# Altium PCB MU_MP_39_V1.PcbDoc (part 12 of 15)
Units mm, origin at the board's own origin, x right, y up, seen from the top; angles counter-clockwise.
Board outline 133 x 94 mm, 8 copper layers (Top Layer, GND_1, POWER_1, POWER_2, GND_2, Inner_Layer, GND_3, Bottom Layer), stack 1.468 mm thick; 934 components, 729 nets, 4006 pads, 2645 vias.
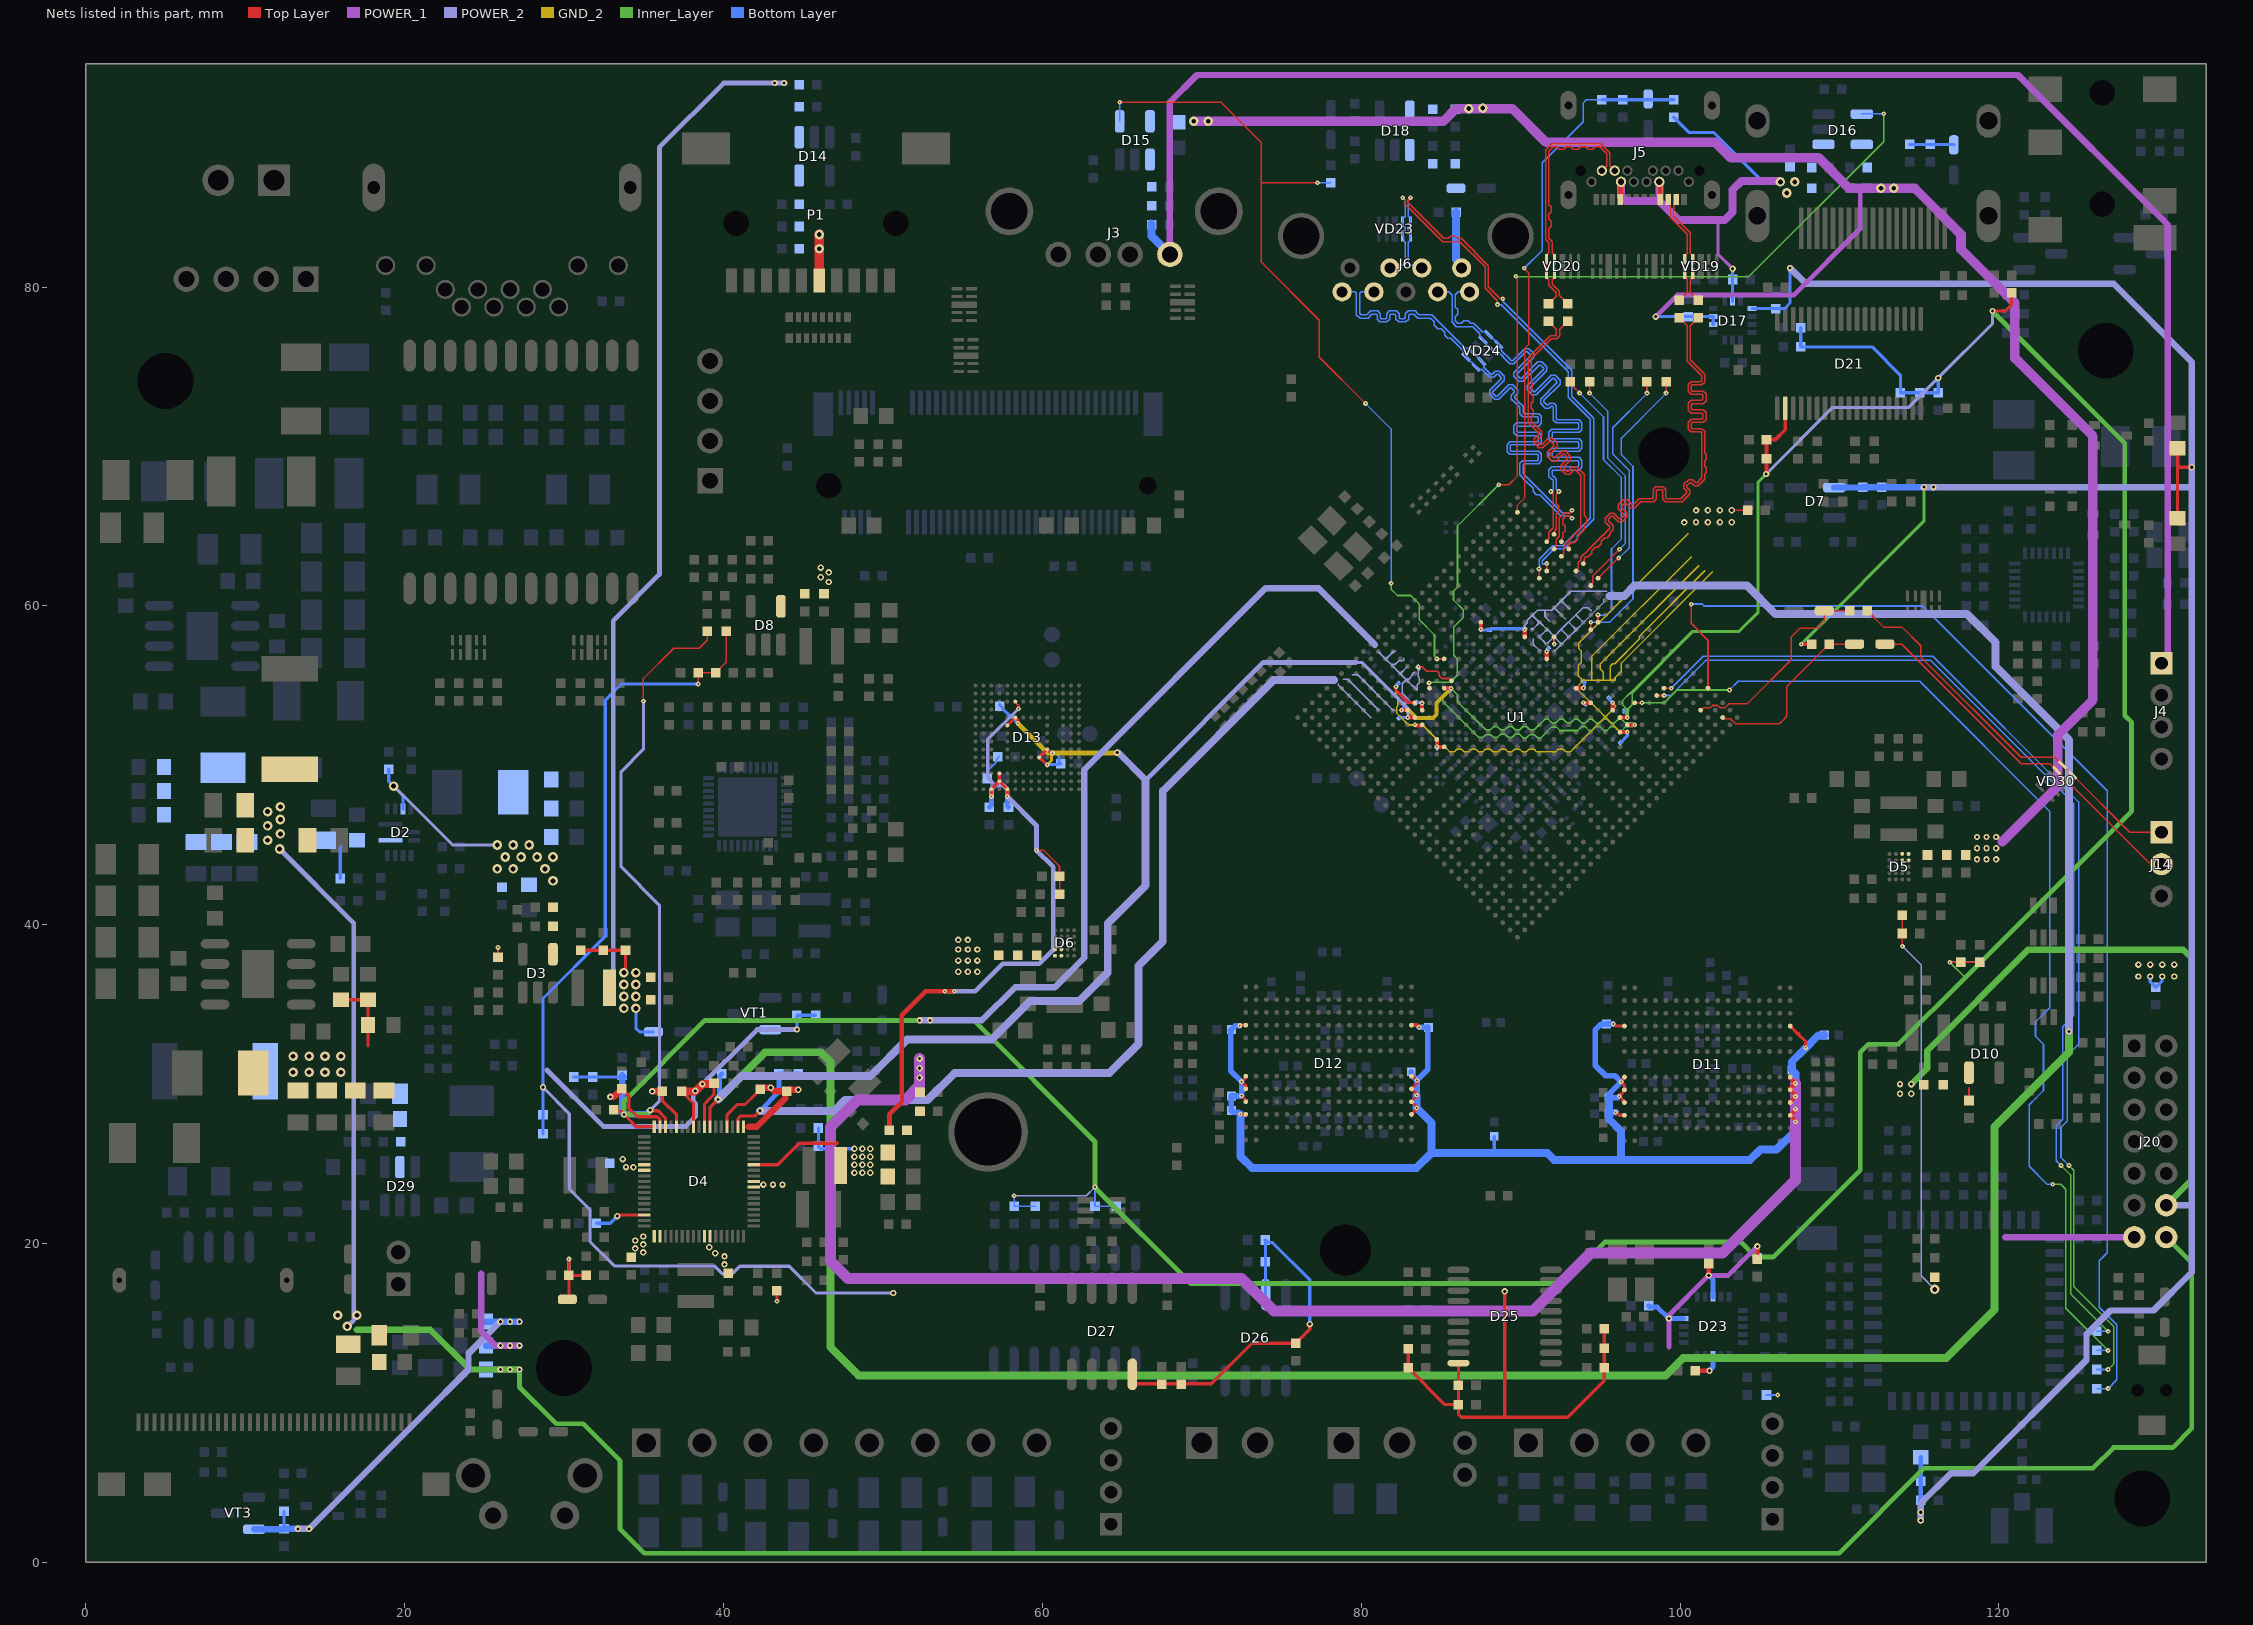
[diagram p18: the nets of this part, all layers, seen from the top]

## Via types
v1: diameter 0.3, hole 0.1, Top Layer to Bottom Layer, tented both sides, 1670 vias
v2: diameter 0.4, hole 0.2, Top Layer to Bottom Layer, tented both sides, 843 vias
v3: diameter 0.6, hole 0.3, Top Layer to Bottom Layer, tented both sides, 132 vias

## Nets (pads, with @x,y where several pads share a name; then routed paths per layer and width w, separated by ;. In a path a pad name is that pad's centre, name@x,y a point inside that pad or via, vN(x,y) a via of type N, cw(c..) or ccw(c..) an arc to the next point about the centre after c; other vN are vias at no path point) (continued)
TYPEC0_SBU1: C290.1 U1.AK20 | length 14.6
  Top Layer w0.1: v1(94.325,73.35) C290.1@94.325,74.05 ; U1.AK20@94.396,61.273 94.396,61.303 94.525,61.432 94.525,61.875 v1(96.2,63.55)
  Bottom Layer w0.1: v1(94.325,73.35) 95.475,72.2 95.475,69.25 96.575,68.15 96.575,63.925 v1(96.2,63.55)
TYPEC0_SBU1_DC: R93.2 U1.AH17 | length 17.4
  Top Layer w0.1: R93.2@93.125,74.05 93.369,73.806 93.369,73.681 v1(93.7,73.35)
  Top Layer w0.11: U1.AH17@94.856,58.975 v1(94.856,59.435)
  Bottom Layer w0.1: v1(93.7,73.35) 95.2,71.85 95.2,69.175 96.325,68.05 96.325,64.2 95.7,63.575 95.7,59.7 95.425,59.425 v1@94.856,59.425
TYPEC0_SBU2: C292.1 U1.AL20 | length 14.5
  Top Layer w0.1: U1.AL20@94.856,61.733 96.123,63 v1(96.15,63) ; v1(97.925,73.35) C292.1@97.925,74.05
  Bottom Layer w0.1: v1(96.15,63) 96.175,63 96.825,63.65 96.825,68.475 95.775,69.525 95.775,71.175 97.925,73.325 v1(97.925,73.35)
TYPEC0_SBU2_DC: R96.2 U1.AG17 | length 18.8
  Top Layer w0.1: v1(99.125,73.35) R96.2@99.125,74.05
  Top Layer w0.11: U1.AG17@94.396,58.515 v1(94.397,58.975)
  Bottom Layer w0.1: v1(94.397,58.975) 95.571,58.975 97.05,60.455 97.05,68.75 96.325,69.475 96.325,70.525 99.125,73.325 v1(99.125,73.35)
TYPEC0_TX1_N: C300.2 J5.A3 VD19.1 | length 7.2
  Top Layer w0.09: J5.A3@99.25,85.49 99.38,85.36 99.38,85.152 99.4,85.132 99.4,84.367 100.45,83.317 100.45,82.138 100.3,81.988 100.3,80.613 100.355,80.558 100.397,80.558 100.45,80.505 100.45,79.675 C300.2@99.95,79.175
TYPEC0_TX1_P: C301.2 J5.A2 VD19.2 | length 7.2
  Top Layer w0.09: J5.A2@99.75,85.49 99.62,85.36 99.62,85.152 99.6,85.132 99.6,84.45 100.65,83.4 100.65,82.138 100.8,81.988 100.8,80.613 100.745,80.558 100.703,80.558 100.65,80.505 100.65,79.675 C301.2@101.15,79.175
TYPEC0_TX2_N: C303.2 J5.B3 VD20.5 | length 15.9
  Top Layer w0.09: VD20.5@91.625,80.85 VD20.5@91.625,81.75 91.68,81.805 91.68,82.055 91.775,82.15 91.775,82.775 91.57,82.98 91.57,88.603 91.967,89 95.033,89 95.6,88.433 95.6,87.606 95.9,87.306 J5.B3@95.9,87.3 ; VD20.5@91.637,80.85 91.68,80.807 91.68,80.545 91.775,80.45 91.775,80.1 92.225,79.65 92.225,79.425 C303.2@91.75,78.95
TYPEC0_TX2_P: C302.2 J5.B2 VD20.4 | length 15.9
  Top Layer w0.09: C302.2@92.95,78.95 92.425,79.475 92.425,79.733 91.975,80.183 91.975,80.45 92.07,80.545 92.07,80.795 VD20.4@92.125,80.85 VD20.4@92.125,81.75 92.07,81.805 92.07,82.055 91.975,82.15 91.975,82.858 91.77,83.063 91.77,83.625 91.77,83.67 91.92,83.82 91.92,84.12 91.761,84.279 91.761,84.579 91.912,84.73 91.912,85.03 91.77,85.171 91.77,85.4 91.77,88.52 92.05,88.8 92.2,88.8 92.245,88.8 92.395,88.65 92.695,88.65 92.854,88.809 93.154,88.809 93.313,88.65 93.613,88.65 93.772,88.809 94.072,88.809 94.231,88.65 94.531,88.65 94.681,88.8 94.9,88.8 94.95,88.8 95.025,88.725 95.4,88.35 95.4,87.606 95.1,87.306 J5.B2@95.1,87.3
TYPEC0_U2VBUSDET: C291.1 R91.1 R92.1 U1.AK30 VD17.2 | length 33.4
  Top Layer w0.1: U1.AK30@89.8,65.869 89.8,66.325 90.25,66.775 90.25,76.137 90.5,76.387 90.5,80.9 v1(90.225,81.175)
  Bottom Layer w0.1: v1(90.225,81.175) 91.35,82.3 91.35,87.8 93.925,90.375 93.925,91.55 94.125,91.75 R92.1@95.1,91.75
  Bottom Layer w0.2: R92.1@95.1,91.75 C291.1@96.4,91.75 97.95,91.75 VD17.2@98,91.8 98.05,91.75 R91.1@99.6,91.75
TYPEC0_U3VBUSDET: U1.AD19 | length 0.5
  Top Layer w0.11: U1.AD19@92.098,58.056 92.098,57.612 v1(92.108,57.603)
  Bottom Layer w0.11: v1(92.108,57.603) v1@92.135,57.575
TYPEC0TX1_N: C300.1 U1.AK22 | length 29.9
  Top Layer w0.09: U1.AK22@93.477,62.192 93.477,62.202 93.625,62.35 93.625,62.729 93.775,62.879 93.775,63.05 94.26,63.535 94.26,63.547 95.188,64.475 95.2,64.475 95.525,64.8 95.598,64.873 95.598,64.956 95.299,65.255 95.299,65.504 95.609,65.814 95.857,65.814 96.194,65.477 96.277,65.477 96.47,65.67 96.47,65.753 96.133,66.09 96.133,66.338 96.443,66.648 96.692,66.648 96.991,66.349 97.074,66.349 97.45,66.725 97.525,66.725 98.15,66.725 98.254,66.725 98.312,66.783 98.312,67.306 98.488,67.481 98.926,67.481 99.102,67.306 99.102,66.783 99.161,66.725 99.8,66.725 100.05,66.725 100.35,67.025 100.423,67.098 100.423,67.181 100.235,67.369 100.235,67.617 100.545,67.928 100.794,67.928 100.982,67.74 101.065,67.74 101.312,67.987 101.35,68.025 101.35,70.754 101.35,70.858 101.292,70.916 100.688,70.916 100.512,71.092 100.512,71.531 100.688,71.706 101.375,71.706 101.433,71.765 101.433,72.038 101.375,72.096 100.688,72.096 100.512,72.272 100.512,72.711 100.688,72.886 101.375,72.886 101.433,72.945 101.433,73.218 101.375,73.276 100.688,73.276 100.512,73.452 100.512,73.891 100.688,74.066 101.292,74.066 101.35,74.125 101.35,74.45 101.3,74.5 100.7,75.1 100.45,75.35 100.45,77.575 C300.1@99.95,78.075
TYPEC0TX1_P: C301.1 U1.AL22 | length 29.8
  Top Layer w0.09: U1.AL22@93.937,62.652 93.977,62.692 93.977,62.969 94.054,63.046 94.086,63.078 94.247,63.078 94.46,63.29 94.46,63.464 94.672,63.677 94.846,63.677 95.058,63.889 95.058,64.063 95.27,64.275 95.422,64.275 95.635,64.487 95.635,64.627 95.666,64.659 95.798,64.79 95.798,65.039 95.499,65.338 95.499,65.421 95.692,65.614 95.775,65.614 96.111,65.277 96.36,65.277 96.67,65.588 96.67,65.836 96.333,66.173 96.333,66.255 96.526,66.448 96.609,66.448 96.908,66.149 97.157,66.149 97.533,66.525 97.671,66.525 98.15,66.525 98.336,66.525 98.512,66.701 98.512,67.223 98.571,67.281 98.844,67.281 98.902,67.223 98.902,66.701 99.078,66.525 99.8,66.525 100.133,66.525 100.491,66.884 100.623,67.015 100.623,67.264 100.435,67.452 100.435,67.535 100.628,67.728 100.711,67.728 100.899,67.54 101.147,67.54 101.454,67.846 101.55,67.942 101.55,68.2 101.55,68.245 101.66,68.355 101.66,68.655 101.541,68.773 101.541,69.073 101.66,69.192 101.66,69.492 101.55,69.601 101.55,70.1 101.55,70.754 101.55,70.941 101.374,71.116 100.771,71.116 100.712,71.175 100.712,71.448 100.771,71.506 101.458,71.506 101.633,71.682 101.633,72.121 101.458,72.296 100.771,72.296 100.712,72.355 100.712,72.628 100.771,72.686 101.458,72.686 101.633,72.862 101.633,73.301 101.458,73.476 100.771,73.476 100.712,73.535 100.712,73.808 100.771,73.866 101.374,73.866 101.55,74.042 101.55,74.5 101.55,74.533 100.65,75.433 100.65,77.575 C301.1@101.15,78.075
TYPEC0TX2_N: C303.1 U1.AK24 | length 21.5
  Top Layer w0.09: C303.1@91.75,77.85 92.25,77.35 92.25,77.025 92.175,76.95 91.85,76.95 90.466,75.566 90.466,71.501 90.596,71.371 91.125,70.842 91.125,70.759 90.84,70.473 90.84,70.225 91.15,69.915 91.398,69.915 91.815,70.332 91.898,70.332 92.091,70.139 92.091,70.056 91.674,69.639 91.674,69.391 91.984,69.081 92.233,69.081 92.65,69.498 92.733,69.498 92.926,69.305 92.926,69.222 92.508,68.805 92.508,68.556 92.818,68.246 93.067,68.246 93.353,68.532 93.435,68.532 93.509,68.459 93.784,68.184 93.784,64.866 92.825,63.908 92.825,63.875 92.7,63.75 92.7,63.269 92.558,63.127 U1.AK24@92.558,63.112
TYPEC0TX2_P: C302.1 U1.AL24 | length 21.5
  Top Layer w0.09: C302.1@92.95,77.85 92.695,77.595 92.45,77.35 92.45,76.942 92.258,76.75 91.933,76.75 90.675,75.492 90.675,74.475 90.675,74.028 90.743,73.96 90.743,73.66 90.666,73.583 90.666,73.283 90.803,73.146 90.803,72.846 90.666,72.71 90.666,72.41 90.803,72.273 90.803,71.973 90.675,71.845 90.675,71.8 90.675,71.575 90.738,71.513 91.325,70.925 91.325,70.676 91.04,70.391 91.04,70.308 91.233,70.115 91.315,70.115 91.733,70.532 91.981,70.532 92.291,70.222 92.291,69.974 91.874,69.556 91.874,69.474 92.067,69.281 92.15,69.281 92.567,69.698 92.815,69.698 93.126,69.388 93.126,69.139 92.708,68.722 92.708,68.639 92.901,68.446 92.984,68.446 93.27,68.732 93.518,68.732 93.65,68.6 93.984,68.266 93.984,65.725 93.984,65.68 94.134,65.53 94.134,65.23 93.984,65.08 93.984,65.025 93.984,64.784 93.725,64.525 93.581,64.381 93.581,64.169 93.369,63.957 93.157,63.957 93.125,63.925 93.025,63.825 93.025,63.579 U1.AL24@93.017,63.571
TYPEC1_D_N: J6.2 U1.AH24 VD23.1 | length 36.8
  Top Layer w0.09: v1(83.1,85.6) 83.1,85.592 82.95,85.442 82.95,85.283 85.183,83.05 85.4,83.05 85.455,83.05 85.605,83.2 85.905,83.2 86.055,83.05 86.1,83.05 86.275,83.05 87.975,81.35 87.975,80.008 88.684,79.299 88.856,79.299 v1(88.882,79.274) ; U1.AH24@91.638,62.192 91.639,62.324 v1(91.639,62.652)
  Bottom Layer w0.09: v1(83.1,85.6) 83.1,85.592 82.95,85.442 82.95,84.445 83.003,84.392 83.045,84.392 83.1,84.337 VD23.1@83.1,84.1 83.1,83.862 83.045,83.808 83.003,83.808 82.95,83.755 82.95,83.545 83.003,83.492 83.045,83.492 83.1,83.437 VD23.1@83.1,83.2 83.045,83.145 83.045,82.895 82.95,82.8 82.95,81.428 83.003,81.375 83.325,81.375 83.5,81.2 J6.2@83.8,81.2 ; v1(88.882,79.274) 88.907,79.249 88.907,79.076 93.2,74.783 93.2,73.158 94.575,71.783 94.575,65.425 93.587,64.438 93.556,64.406 93.556,64.194 93.344,63.981 93.131,63.981 93.087,63.937 92.725,63.575 92.1,63.575 91.354,62.829 91.354,62.679 91.407,62.626 91.614,62.626 v1(91.639,62.652)
TYPEC1_D_P: J6.3 U1.AG24 VD23.2 | length 36.9
  Top Layer w0.09: v1(82.6,85.6) 82.6,85.592 82.75,85.442 82.75,85.2 85.1,82.85 85.4,82.85 86.1,82.85 86.192,82.85 87.775,81.267 87.775,79.925 88.548,79.152 88.548,78.902 v1(88.55,78.9) ; v1(91.154,62.321) 91.18,62.296 U1.AG24@91.18,61.865 ; U1.AG24@91.179,61.733 U1.AG24@91.179,61.864
  Bottom Layer w0.09: J6.3@81.8,81.2 82.1,81.2 82.275,81.375 82.697,81.375 82.75,81.428 82.75,82.8 82.655,82.895 82.655,83.145 VD23.2@82.6,83.2 82.6,83.437 82.655,83.492 82.697,83.492 82.75,83.545 82.75,83.755 82.697,83.808 82.655,83.808 82.6,83.862 VD23.2@82.6,84.1 82.6,84.337 82.655,84.392 82.697,84.392 82.75,84.445 82.75,85.442 82.6,85.592 v1(82.6,85.6) ; v1(88.55,78.9) 88.557,78.907 88.793,78.907 93,74.7 93,73.075 94.375,71.7 94.375,65.508 93.446,64.579 92.642,63.775 92.017,63.775 91.154,62.912 91.154,62.596 91.197,62.554 91.197,62.479 91.194,62.477 91.194,62.361 v1(91.154,62.321)
TYPEC1_RX1_N: J6.5 U1.AL25 VD24.5 | length 39.4
  Top Layer w0.09: U1.AL25@92.558,64.031 92.591,64.064 92.591,64.221 92.65,64.281 92.65,64.5 92.65,64.545 92.8,64.695 92.8,64.995 92.65,65.145 92.65,65.275 92.65,65.45 92.85,65.65 93.067,65.65 93.217,65.5 v1(93.225,65.5)
  Bottom Layer w0.09: J6.5@78.8,79.7 79.6,79.7 79.7,79.6 79.7,78.275 79.925,78.05 80.25,78.05 80.436,78.05 80.612,78.226 80.612,78.242 80.671,78.301 80.944,78.301 81.002,78.242 81.002,77.995 81.178,77.819 81.616,77.819 81.792,77.995 81.792,78.242 81.851,78.301 82.124,78.301 82.182,78.242 82.182,77.995 82.358,77.819 82.796,77.819 82.972,77.995 82.972,78.242 83.031,78.301 83.304,78.301 83.362,78.242 83.362,78.226 83.538,78.05 84.025,78.05 84.342,78.05 84.546,77.846 84.578,77.814 84.578,77.602 84.79,77.39 85.015,77.39 85.227,77.178 85.227,76.99 85.439,76.778 85.614,76.778 85.646,76.746 86.4,75.992 86.4,75.864 86.575,75.689 VD24.5@86.575,75.611 86.589,75.611 87.211,74.989 VD24.5@87.211,74.975 87.379,74.807 87.457,74.807 87.487,74.837 87.561,74.837 87.936,74.461 88.068,74.33 88.317,74.33 88.505,74.518 88.587,74.518 88.78,74.325 88.78,74.242 88.056,73.517 88.056,73.269 88.366,72.958 88.614,72.958 89.339,73.683 89.422,73.683 89.615,73.49 89.615,73.407 89.427,73.219 89.427,72.971 89.592,72.806 89.724,72.674 89.95,72.448 89.95,72.231 89.95,72.044 90.126,71.869 91.039,71.869 91.098,71.81 91.098,71.537 91.039,71.479 89.746,71.479 89.57,71.303 89.57,70.864 89.746,70.689 91.039,70.689 91.098,70.63 91.098,70.357 91.039,70.299 89.324,70.299 89.149,70.123 89.149,69.684 89.324,69.509 91.039,69.509 91.098,69.45 91.098,69.177 91.039,69.119 90.126,69.119 89.95,68.943 89.95,68.7 89.95,68.217 90.334,67.834 90.777,67.39 90.777,67.178 90.99,66.965 91.202,66.965 91.234,66.934 92.517,65.65 93.067,65.65 93.217,65.5 v1(93.225,65.5)
TYPEC1_RX1_P: J6.6 U1.AK25 VD24.4 | length 39.5
  Top Layer w0.09: U1.AK25@92.098,63.571 92.098,63.628 92.225,63.755 92.225,64.175 92.434,64.384 92.434,65.516 92.767,65.85 93.067,65.85 93.217,66 v1(93.225,66)
  Bottom Layer w0.09: J6.6@80.8,79.7 80,79.7 79.9,79.6 79.9,78.358 80.008,78.25 80.25,78.25 80.354,78.25 80.412,78.308 80.412,78.325 80.588,78.501 81.026,78.501 81.202,78.325 81.202,78.077 81.261,78.019 81.534,78.019 81.592,78.077 81.592,78.325 81.768,78.501 82.206,78.501 82.382,78.325 82.382,78.077 82.441,78.019 82.714,78.019 82.772,78.077 82.772,78.325 82.948,78.501 83.386,78.501 83.562,78.325 83.562,78.308 83.621,78.25 84.025,78.25 84.425,78.25 86.525,76.15 86.665,76.15 86.85,75.965 VD24.4@86.928,75.965 ; VD24.4@86.932,75.968 VD24.4@87.565,75.335 ; VD24.4@87.565,75.328 87.733,75.16 87.733,75.083 87.703,75.053 87.703,74.978 88.078,74.603 88.151,74.53 88.234,74.53 88.422,74.718 88.67,74.718 88.98,74.407 88.98,74.159 88.256,73.434 88.256,73.351 88.449,73.158 88.531,73.158 89.256,73.883 89.505,73.883 89.815,73.573 89.815,73.325 89.627,73.137 89.627,73.054 89.792,72.889 89.865,72.815 90.15,72.531 90.15,72.231 90.15,72.127 90.208,72.069 91.122,72.069 91.298,71.893 91.298,71.454 91.122,71.279 89.828,71.279 89.77,71.22 89.77,70.947 89.828,70.889 91.122,70.889 91.298,70.713 91.298,70.274 91.122,70.099 89.407,70.099 89.349,70.04 89.349,69.767 89.407,69.709 91.122,69.709 91.298,69.533 91.298,69.094 91.122,68.919 90.208,68.919 90.15,68.86 90.15,68.7 90.15,68.3 92.6,65.85 93.067,65.85 93.217,66 v1(93.225,66)
TYPEC1_TX1_N: J6.8 U1.AK26 VD24.2 | length 39.6
  Top Layer w0.09: U1.AK26@91.638,64.031 91.638,64.088 91.775,64.224 91.775,64.625 92.05,64.9 92.05,65.75 92.05,67.017 91.9,67.167 v1(91.9,67.175)
  Bottom Layer w0.09: J6.8@84.8,79.7 85.5,79.7 85.7,79.5 85.7,77.8 85.975,77.525 86.992,77.525 87.45,77.067 87.45,76.935 87.635,76.75 VD24.2@87.635,76.672 VD24.2@88.272,76.035 88.44,75.867 88.658,75.867 89.175,75.35 89.333,75.192 89.581,75.192 90.334,75.944 90.416,75.944 90.609,75.751 90.609,75.669 89.58,74.64 89.58,74.391 89.891,74.081 90.139,74.081 91.168,75.11 91.251,75.11 91.444,74.917 91.444,74.834 90.415,73.805 90.415,73.557 90.725,73.247 90.973,73.247 92.002,74.276 92.085,74.276 92.278,74.083 92.278,74 91.249,72.971 91.249,72.722 91.559,72.412 91.808,72.412 91.919,72.523 92.002,72.523 92.05,72.475 92.05,72.425 92.05,71.836 92.05,71.65 92.226,71.474 93.591,71.474 93.649,71.416 93.649,71.143 93.591,71.084 91.946,71.084 91.77,70.908 91.77,70.47 91.946,70.294 93.591,70.294 93.649,70.236 93.649,69.963 93.591,69.904 91.946,69.904 91.77,69.728 91.77,69.29 91.946,69.114 93.591,69.114 93.649,69.056 93.649,68.783 93.591,68.724 91.946,68.724 91.77,68.548 91.77,68.11 91.946,67.934 91.992,67.934 92.05,67.876 92.05,67.571 92.05,67.333 91.9,67.183 v1(91.9,67.175)
TYPEC1_TX1_P: J6.9 U1.AL26 VD24.1 | length 39.4
  Top Layer w0.09: U1.AL26@92.098,64.49 92.122,64.515 92.122,64.689 92.25,64.817 92.25,65.75 92.25,65.795 92.4,65.945 92.4,66.245 92.25,66.395 92.25,66.675 92.25,67.017 92.4,67.167 v1(92.4,67.175)
  Bottom Layer w0.09: J6.9@86.8,79.7 86.075,79.7 85.9,79.525 85.9,78.95 85.9,78.745 86.05,78.595 86.05,78.295 85.9,78.145 85.9,78.1 85.9,77.883 86.058,77.725 86.125,77.725 86.28,77.725 86.43,77.875 86.73,77.875 86.88,77.725 86.925,77.725 87.075,77.725 87.6,77.2 87.736,77.2 87.911,77.025 VD24.1@87.989,77.025 ; VD24.1@88,77.025 88.625,76.4 VD24.1@88.625,76.389 88.793,76.221 88.793,76.015 89.316,75.491 89.416,75.392 89.499,75.392 90.251,76.144 90.499,76.144 90.809,75.834 90.809,75.586 89.78,74.557 89.78,74.474 89.974,74.281 90.056,74.281 91.085,75.31 91.334,75.31 91.644,75 91.644,74.751 90.615,73.722 90.615,73.64 90.808,73.447 90.891,73.447 91.92,74.476 92.168,74.476 92.478,74.165 92.478,73.917 91.449,72.888 91.449,72.805 91.642,72.612 91.725,72.612 91.836,72.723 92.084,72.723 92.216,72.592 92.25,72.558 92.25,71.836 92.25,71.733 92.308,71.674 93.674,71.674 93.849,71.498 93.849,71.06 93.674,70.884 92.029,70.884 91.97,70.826 91.97,70.553 92.029,70.494 93.674,70.494 93.849,70.318 93.849,69.88 93.674,69.704 92.029,69.704 91.97,69.646 91.97,69.373 92.029,69.314 93.674,69.314 93.849,69.138 93.849,68.7 93.674,68.524 92.029,68.524 91.97,68.466 91.97,68.193 92.029,68.134 92.074,68.134 92.25,67.958 92.25,67.571 92.25,67.333 92.4,67.183 v1(92.4,67.175)
UART0_CTS: R251.1 U1.AG8 | length 66.4
  Top Layer w0.11: U1.AG8@98.533,54.379 98.993,54.379 v1(98.998,54.374)
  Inner_Layer w0.1: v1(123.9,24.9) 124.5,24.3 124.5,16.85 v1(126.85,14.5)
  Bottom Layer w0.1: v1(98.998,54.374) 99.004,54.38 99.423,54.38 101.644,56.6 115.7,56.6 124.7,47.6 124.7,37.9 124.7,34.3 124,33.6 124,27.8 123.6,27.4 123.6,25.2 v1(123.9,24.9) ; R251.1@126.15,14.5 v1(126.85,14.5)
UART0_RTS: R254.1 U1.AL5 | length 75.8
  Top Layer w0.11: v1(100.7,60.1) 100.7,58.9 101.75,57.85 U1.AL5@101.75,54.838
  Bottom Layer w0.1: R254.1@126.15,10.9 v1(126.85,10.9)
  Bottom Layer w0.11: v1(100.7,60.1) 100.725,60.125 101.375,60.125 101.5,60 115.2,60 126.8,48.4 126.8,19.425 126.3,18.925 126.3,16 127.4,14.9 127.4,11.45 v1(126.85,10.9)
UART0_RXD: R252.1 U1.AE9 | length 68.1
  Top Layer w0.11: U1.AE9@97.154,53.919 97.612,53.919 v1(97.613,53.92)
  Inner_Layer w0.1: v1(123.375,23.725) 123.875,23.725 124.2,23.4 124.2,15.95 v1(126.85,13.3)
  Inner_Layer w0.12: v1@97.618,53.925 99.018,53.925 99.818,54.725 v1(103.1,54.725)
  Bottom Layer w0.1: v1(103.1,54.725) 103.645,55.27 115.03,55.27 123.2,47.1 123.2,34.8 122.3,33.9 122.3,33 122.8,32.5 122.8,29.6 122.3,29.1 121.9,28.7 121.9,24.85 ; 121.975,24.775 121.9,24.85 ; v1(123.375,23.725) 123.025,23.725 121.9,24.85 ; R252.1@126.15,13.3 v1(126.85,13.3)
UART0_TXD: R253.1 U1.AH8 | length 69.2
  Top Layer w0.11: U1.AH8@98.992,54.838 v1(99.452,54.839)
  Inner_Layer w0.1: v1(124.4,24.9) 124.7,24.6 124.7,17.3 127.2,14.8 127.2,12.45 v1(126.85,12.1)
  Bottom Layer w0.1: v1(99.452,54.839) 101.462,56.85 115.85,56.85 125,47.7 125,37.8 125,32.5 124.3,31.8 124.3,27.7 123.9,27.3 123.9,25.4 ; 124.1,25.2 123.9,25.4 ; v1(124.4,24.9) 123.9,25.4 ; R253.1@126.15,12.1 v1(126.85,12.1)
UART2_RXD: J14.2 VD28.2 VD30.2 | length 23.1
  Top Layer w0.1: VD28.2@112.85,57.6 113.9,57.6 121.4,50.1 123.207,50.1 VD30.2@123.635,49.672 VD30.2@124.272,49.035 129.409,43.899 130.101,43.899 J14.2@130.2,43.8
UART2_TXD: J14.1 R223.2 VD30.1 | length 24.6
  Top Layer w0.1: R223.2@111.75,59.7 112.8,58.65 113.95,58.65 115.1,57.5 115.1,56.8 121.4,50.5 123.5,50.5 123.975,50.025 VD30.1@123.989,50.025 VD30.1@124.625,49.389 128.214,45.8 J14.1@130.2,45.8
UART2DBG_RX: R222.1 U1.AK2 VD28.1 | length 11.6
  Top Layer w0.1: U1.AK2@102.669,53 102.723,53 102.798,52.925 103.15,52.925 103.475,52.6 106.225,52.6 106.5,52.875 106.7,53.075 106.7,54.95 R222.1@109.35,57.6 VD28.1@110.95,57.6
UART2DBG_TX: R223.1 U1.AJ4 VD29.2 | length 13.3
  Top Layer w0.1: U1.AJ4@101.29,53.46 101.309,53.46 101.449,53.6 101.875,53.6 102.025,53.75 102.375,53.75 102.525,53.6 102.8,53.6 103.05,53.85 104.2,53.85 106.975,56.625 106.975,58.05 107.525,58.6 108.6,58.6 109.05,59.05 VD29.2@109.05,59.7 R223.1@110.65,59.7
VBUS_TYPEC0: C282.1 C283.1 C284.1 C289.1 D16.1 D17.2 J5.A4 J5.A9 J5.B4 J5.B9 R91.2 | length 32.9
  Top Layer w0.3: J5.A9@96.25,85.49 96.275,85.515 96.275,86.575 J5.B4@96.3,86.6 96.25,86.55 J5.A9@96.25,85.49 ; J5.B9@98.7,86.6 98.725,86.575 98.725,85.515 J5.A4@98.75,85.49 98.75,86.55 J5.B9@98.7,86.6
  POWER_1 w0.2: 102.375,84.2 102.375,82.075 v2(103.3,81.15)
  POWER_1 w0.5: J5.B4@96.3,86.6 96.3,85.693 96.593,85.4 98.7,85.4 ; J5.B9@98.7,86.6 98.7,85.4 ; v3(106.3,86.6) 106.273,86.6 106.223,86.65 103.85,86.65 103.3,86.1 103.3,84.7 102.8,84.2 102.375,84.2 99.9,84.2 98.7,85.4